# Altium PCB TIMESTICK_2.1.PcbDoc (part 1 of 3) (continued)
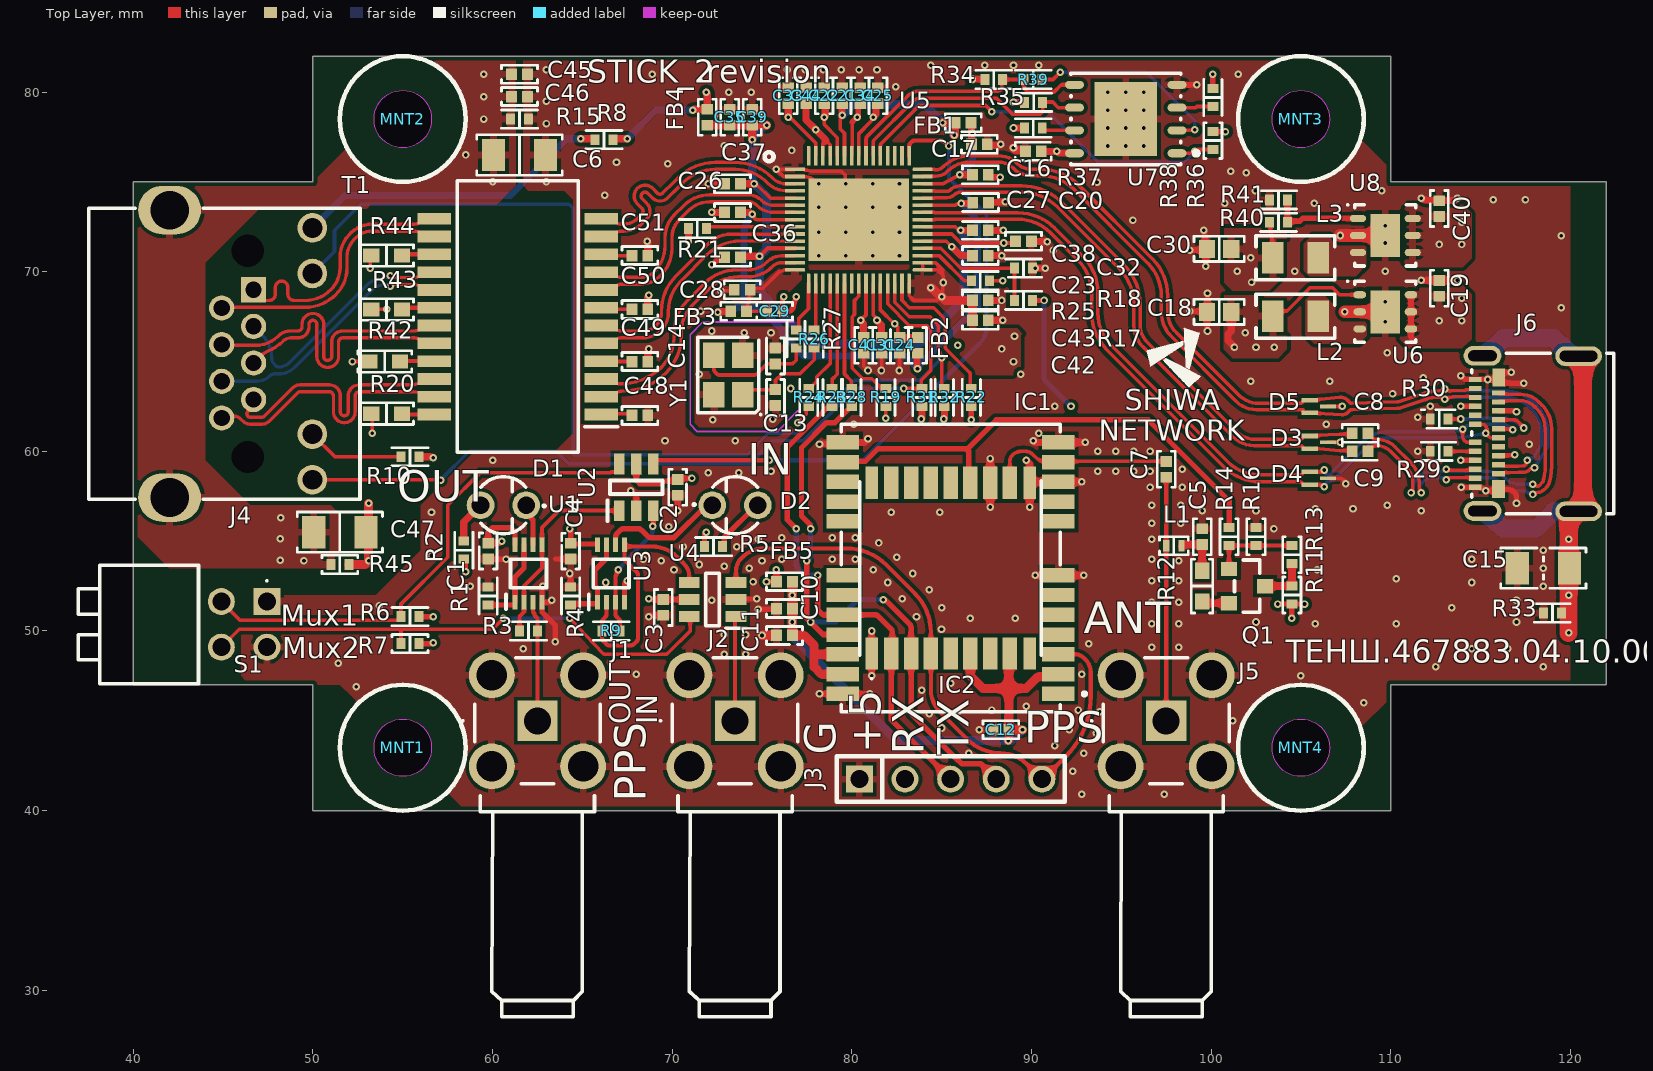
[diagram p0: Top Layer view]
## Design rules (kind name [scope] priority, off if disabled: settings) (continued)
PolygonConnect "PolygonConnect 2 Oz" [All] p2 off: thpad.connectstyle=Relief thpad.reliefconductorwidth=0.3 thpad.reliefentries=4 thpad.polygonreliefangle="90 Angle" thpad.airgapwidth=0.3 smdpad.connectstyle=Relief smdpad.reliefconductorwidth=0.3 smdpad.reliefentries=4 smdpad.polygonreliefangle="90 Angle" smdpad.airgapwidth=0.3 via.connectstyle=Direct via.reliefconductorwidth=0.254 via.reliefentries=4 via.polygonreliefangle="90 Angle" via.airgapwidth=0.254
PolygonConnect "PolygonConnect-1 1 Oz" [All] p3: thpad.connectstyle=Relief thpad.reliefconductorwidth=0.4 thpad.reliefentries=4 thpad.polygonreliefangle="90 Angle" thpad.airgapwidth=0.2 smdpad.connectstyle=Relief smdpad.reliefconductorwidth=0.4 smdpad.reliefentries=4 smdpad.polygonreliefangle="90 Angle" smdpad.airgapwidth=0.2 via.connectstyle=Direct via.reliefconductorwidth=0.254 via.reliefentries=4 via.polygonreliefangle="90 Angle" via.airgapwidth=0.254 // Standart
PolygonConnect "PolygonConnect-2 1 Oz" [All] p4 off: thpad.connectstyle=Relief thpad.reliefconductorwidth=0.15 thpad.reliefentries=4 thpad.polygonreliefangle="90 Angle" thpad.airgapwidth=0.15 smdpad.connectstyle=Relief smdpad.reliefconductorwidth=0.15 smdpad.reliefentries=4 smdpad.polygonreliefangle="90 Angle" smdpad.airgapwidth=0.15 via.connectstyle=Direct via.reliefconductorwidth=0.254 via.reliefentries=4 via.polygonreliefangle="90 Angle" via.airgapwidth=0.254 // Advance
PolygonConnect "PolygonConnect-1 1/2 Oz" [All] p5 off: thpad.connectstyle=Relief thpad.reliefconductorwidth=0.15 thpad.reliefentries=4 thpad.polygonreliefangle="90 Angle" thpad.airgapwidth=0.2 smdpad.connectstyle=Relief smdpad.reliefconductorwidth=0.2 smdpad.reliefentries=4 smdpad.polygonreliefangle="90 Angle" smdpad.airgapwidth=0.2 via.connectstyle=Direct via.reliefconductorwidth=0.254 via.reliefentries=4 via.polygonreliefangle="90 Angle" via.airgapwidth=0.254 // Standart
PolygonConnect "PolygonConnect-2 1/2 Oz" [All] p6 off: thpad.connectstyle=Relief thpad.reliefconductorwidth=0.125 thpad.reliefentries=4 thpad.polygonreliefangle="90 Angle" thpad.airgapwidth=0.15 smdpad.connectstyle=Relief smdpad.reliefconductorwidth=0.125 smdpad.reliefentries=4 smdpad.polygonreliefangle="90 Angle" smdpad.airgapwidth=0.15 via.connectstyle=Direct via.reliefconductorwidth=0.254 via.reliefentries=4 via.polygonreliefangle="90 Angle" via.airgapwidth=0.254 // Advance
RoutingCorners [All] p1 off: cornerstyle=45-Degree minsetback=2.54 maxsetback=2.54
RoutingVias [All] p1: holewidth=0.2 width=0.5 viastyle="Through Hole" minholewidth=0.2 minwidth=0.42 maxholewidth=0.3 maxwidth=0.7
SilkToSilkClearance Silk2SilkClearance [All] p1 off: silktosilkclearance=0.15
SilkToSolderMaskClearance Silk2SolderMaskClearance [IsPad] p1 off: minsilkscreentomaskgap=0.15 clearancetoexposedcopper=TRUE
SolderMaskExpansion SolderMaskExpansion-1 [All] p1: expansion=0.05 istentingtop=FALSE // Standart
SolderMaskExpansion "SolderMaskExpansion LDI" [All] p2: expansion=0.025 istentingtop=FALSE // Advance
UnRoutedNet [All] p1: checkbadconnections=TRUE
Width "Width 3 Oz" [All] p1 off: maxlimit=10 minlimit=0.35 preferedwidth=0.4 checkconnectedcopper=TRUE
Width "Width 2 Oz" [All] p2 off: maxlimit=10 minlimit=0.3 preferedwidth=0.35 minimp=50.000000 maximp=50.000000 favimp=50.000000 checkconnectedcopper=TRUE
Width "Width 1 Oz_S50" [InNetClass('PPS_50')] p3: maxlimit=10 minlimit=0.205 preferedwidth=0.286 toplayer_minwidth=0.232 toplayer_maxwidth=0.233 toplayer_prefwidth=0.233 bottomlayer_minwidth=0.232 bottomlayer_maxwidth=0.233 bottomlayer_prefwidth=0.233 impedanceprofiledriven=TRUE impedanceprofileid={BB543DFE-99FC-45A7-9DD2-5C9AF4E8F79C} impedanceprofilevalue=50.000000 minimp=50.000000 maximp=50.000000 favimp=50.000000 checkconnectedcopper=TRUE
Width "Width 1 Oz" [All] p4: maxlimit=1 minlimit=0.2 preferedwidth=0.3 checkconnectedcopper=TRUE
Width "Width 1/2 Oz" [All] p5 off: maxlimit=10 minlimit=0.1 preferedwidth=0.125 checkconnectedcopper=TRUE
20 further rules are at their usual default settings.

## Classes and differential pairs
differential pair class D100: MDI0 MDI1 MDI2 MDI3 MDIA MDIB MDIC MDID
differential pair class D90: D SSRX SSTX USB3.0_SSTX
net class USB: D_N D_P SSRX_N SSRX_P SSTX_N SSTX_P USB3.0_SSTX_N USB3.0_SSTX_P
net class MDI: MDI0_N MDI0_P MDI1_N MDI1_P MDI2_N MDI2_P MDI3_N MDI3_P MDIA_N MDIA_P MDIB_N MDIB_P MDIC_N MDIC_P MDID_N MDID_P
net class PPS_50: 1PPS_IN 1PPS_IN_BUFF 1PPS_OUT 1PPS_SMA_OUT 279_1PPS_IO ANT GPS_PPS_OUT NetJ2_1
differential pair class MDI: MDI0 MDI1 MDI2 MDI3
differential pair class USB: D SSRX SSTX USB3.0_SSTX
differential pair MDID: +MDID_P -MDID_N
differential pair MDIC: +MDIC_P -MDIC_N
differential pair MDIB: +MDIB_P -MDIB_N
differential pair MDIA: +MDIA_P -MDIA_N
differential pair MDI0: +MDI0_P -MDI0_N
differential pair USB3.0_SSTX: +USB3.0_SSTX_P -USB3.0_SSTX_N
differential pair SSTX: +SSTX_P -SSTX_N
differential pair SSRX: +SSRX_P -SSRX_N
differential pair MDI3: +MDI3_P -MDI3_N
differential pair MDI2: +MDI2_P -MDI2_N
differential pair MDI1: +MDI1_P -MDI1_N
differential pair D: +D_P -D_N

## Components (designator, comment, footprint, x,y, rotation, side; value= is the part's Value field where it differs from the comment)
C1 "0.1 µF" "CAP 0402_1005" 59.75,54.45 r90 top
C2 "0.1 µF" "CAP 0402_1005" 70.3,58 r90 top
C3 "0.1 µF" "CAP 0402_1005" 69.5,51.31 r90 top
C4 "0.1 µF" "CAP 0402_1005" 64.344,54.448 r90 top
C5 "10000 pF" "CAP 0402_1005" 99.5,55.25 r270 top
C6 "1000 pF/2kV" "CAP 1206_3216 - 0.8MM" 61.5,76.5 r0 top
C7 "47 pF" "CAP 0402_1005" 97.5,59 r90 top
C8 "0.1 µF" "CAP 0402_1005" 108.3,61 r180 top
C9 "0.1 µF" "CAP 0402_1005" 108.3,60 r180 top
C10 "1 µF" "CAP 0402_1005" 76.25,51.25 r0 top
C11 "0.1 µF" "CAP 0402_1005" 76.25,49.75 r0 top
C12 "0.1 µF" "CAP 0402_1005" 88.3,44.5 r0 top
C13 "15 pF" "CAP 0402_1005" 75.75,63 r90 top
C14 "15 pF" "CAP 0402_1005" 75.75,65.31 r270 top
C15 "1000 pF/2kV" "CAP 1206_3216 - 0.8MM" 118.5,53.5 r0 top
C16 "1 µF" "CAP 0402_1005" 87.156,75.4 r180 top
C17 "0.1 µF" "CAP 0402_1005" 87.1,77.1 r180 top
C18 "22 µF" "CAP 0603_1608" 100.45,67.767 r0 top
C19 "4.7 µF" "CAP 0402_1005" 112.7,69.077 r270 top
C20 "0.1 µF" "CAP 0402_1005" 90.1,76.7 r0 top
C21 "4.7 µF" "CAP 0402_1005" 79.456,79.8 r270 top
C22 "4.7 µF" "CAP 0402_1005" 78.456,79.8 r270 top
C23 "0.1 µF" "CAP 0402_1005" 87.156,70.9 r180 top
C24 "0.1 µF" "CAP 0402_1005" 82.656,65.9 r90 top
C25 "0.1 µF" "CAP 0402_1005" 81.456,79.8 r270 top
C26 "0.1 µF" "CAP 0402_1005" 73.356,73.3 r0 top
C27 "0.1 µF" "CAP 0402_1005" 87.166,73.85 r180 top
C28 "0.1 µF" "CAP 0402_1005" 73.9,69 r0 top
C29 "0.1 µF" "CAP 0402_1005" 75.7,67.8 r180 top
C30 "22 µF" "CAP 0603_1608" 100.45,71.267 r0 top
C31 "0.1 µF" "CAP 0402_1005" 81.656,65.9 r90 top
C32 "0.1 µF" "CAP 0402_1005" 89.556,71.7 r180 top
C33 "0.1 µF" "CAP 0402_1005" 76.456,79.8 r270 top
C34 "0.1 µF" "CAP 0402_1005" 80.456,79.8 r270 top
C35 "4.7 µF" "CAP 0402_1005" 73.206,78.6 r270 top
C36 "0.1 µF" "CAP 0402_1005" 73.356,70.8 r0 top
C37 "0.1 µF" "CAP 0402_1005" 73.356,74.9 r0 top
C38 "0.1 µF" "CAP 0402_1005" 87.156,72.3 r180 top
C39 "0.1 µF" "CAP 0402_1005" 74.456,78.6 r270 top
C40 "4.7 µF" "CAP 0402_1005" 112.7,73.517 r270 top
C41 "0.1 µF" "CAP 0402_1005" 80.656,65.9 r90 top
C42 "0.1 µF" "CAP 0402_1005" 87.156,67.3 r180 top
C43 "0.1 µF" "CAP 0402_1005" 87.156,68.4 r180 top
C44 "0.1 µF" "CAP 0402_1005" 77.456,79.8 r270 top
C45 "0.1 µF" "CAP 0402_1005" 61.5,81 r0 top
C46 "0.1 µF" "CAP 0402_1005" 61.5,79.75 r0 top
C47 "1000 pF/2kV" "CAP 1206_3216 - 0.8MM" 51.5,55.5 r0 top
C48 "0.1 µF" "CAP 0402_1005" 68.2,62 r0 top
C49 "0.1 µF" "CAP 0402_1005" 68.2,65 r0 top
C50 "0.1 µF" "CAP 0402_1005" 68.2,67.9 r0 top
C51 "0.1 µF" "CAP 0402_1005" 68.2,70.9 r0 top
D1 "L-1154GT" LED_3MM_GREEN 60.6,57 r180 top
D2 "L-1154GT" LED_3MM_GREEN 73.5,57 r0 top locked
D3 "TPD2EUSB30" SOT35P100X50-3N 106,60.5 r0 top
D4 "TPD2EUSB30" SOT35P100X50-3N 106,58.5 r0 top
D5 "TPD2EUSB30" SOT35P100X50-3N 106,62.5 r0 top
FB1 "80 Ohms @ 100 MHz" "FER 0402_1005" 86.2,78.3 r0 top
FB2 "80 Ohms @ 100 MHz" "FER 0402_1005" 83.656,65.9 r270 top
FB3 "80 Ohms @ 100 MHz" "FER 0402_1005" 73.7,67.8 r180 top
FB4 "80 Ohms @ 100 MHz" "FER 0402_1005" 71.956,78.6 r270 top
FB5 "80 Ohms @ 100 MHz" "FER 0402_1005" 76.25,52.75 r0 top
IC1 "NEO-M9N-00B" NEOM9N00B 85.5,53.5 r0 top locked
IC2 "MAX-M10M-00B" MAXM10M00B 85.5,53.5 r270 top
J1 "RF2-49B-T-00-50-G-HDW" RF249BT0050GHDW 62.5,45 r0 top locked
J2 "RF2-49B-T-00-50-G-HDW" RF249BT0050GHDW 73.5,45 r0 top locked
J3 "PBS-5" PBS-5 85.5,41.75 r0 top
J4 "1734324-7" 17343247 46.7,69 r270 top locked
J5 "RF2-49B-T-00-50-G-HDW" RF249BT0050GHDW 97.5,45 r0 top locked
J6 "1054500101" "Molex 1054500101" 115.355,61 r90 top locked
L1 "27 nH" "Murata LQG15 0402" 97.925,54.75 r180 top
L2 "3.3µH" "IND 1008_2520" 104.7,67.517 r180 top
L3 "3.3µH" "IND 1008_2520" 104.7,70.767 r180 top
MNT1 "MOUNT_HOLE" MOUNT_3mm 55,43.5 r0 top locked
MNT2 "MOUNT_HOLE" MOUNT_3mm 55,78.5 r0 top locked
MNT3 "MOUNT_HOLE" MOUNT_3mm 105,78.5 r0 top locked
MNT4 "MOUNT_HOLE" MOUNT_3mm 105,43.5 r0 top locked
Q1 "DMG2302UKQ-7" "DIODES SOT-23-3" 102,52.5 r0 top
R1 "4.7 kOhms" "YAGEO RES 0402_1005" 59.75,51.95 r90 top
R2 "4.7 kOhms" "YAGEO RES 0402_1005" 58.4,54.5 r270 top
R3 "0 Ohms" "YAGEO RES 0402_1005" 62,50 r180 top
R4 "4.7 kOhms" "YAGEO RES 0402_1005" 64.344,51.948 r270 top
R5 "4.7 kOhms" "YAGEO RES 0402_1005" 72.3,54.7 r180 top
R6 "10 kOhms" "YAGEO RES 0402_1005" 55.4,50.8 r0 top
R7 "10 kOhms" "YAGEO RES 0402_1005" 55.4,49.3 r0 top
R8 "330 Ohms" "YAGEO RES 0402_1005" 66.2,77.35 r0 top
R9 "0 Ohms" "YAGEO RES 0402_1005" 66.6,50 r0 top
R10 "330 Ohms" "YAGEO RES 0402_1005" 55.4,59.7 r0 top
R11 "0 Ohms" "YAGEO RES 0402_1005" 104.5,52 r270 top
R12 "75 Ohms" "YAGEO RES 0603_1608" 99.5,52.5 r90 top
R13 "0 Ohms" "YAGEO RES 0402_1005" 104.5,54.25 r270 top
R14 "0 Ohms" "YAGEO RES 0402_1005" 101,55.25 r270 top
R15 "1 MOhms" "YAGEO RES 0402_1005" 61.5,78.5 r0 top
R16 "0 Ohms" "YAGEO RES 0402_1005" 102.5,55.25 r90 top
R17 "49.9 kOhms" "YAGEO RES 0402_1005" 89.556,68.4 r0 top
R18 "100 kOhms" "YAGEO RES 0402_1005" 89.556,70.2 r180 top
R19 "10 kOhms" "YAGEO RES 0402_1005" 81.9,63 r270 top
R20 "75 Ohms" "YAGEO RES 0603_1608" 54.1,62.1 r180 top
R21 "24 kOhms" "YAGEO RES 0402_1005" 71.4,72.4 r0 top
R22 "47 kOhms" "YAGEO RES 0402_1005" 86.65,63 r270 top
R23 "0 Ohms" "YAGEO RES 0402_1005" 78.9,63 r90 top
R24 "47 kOhms" "YAGEO RES 0402_1005" 77.6,63 r270 top
R25 "47 kOhms" "YAGEO RES 0402_1005" 87.156,69.5 r0 top
R26 "0 Ohms" "YAGEO RES 0402_1005" 77.9,66.25 r90 top
R27 "200 Ohms" "YAGEO RES 0402_1005" 76.9,66.25 r90 top
R28 "0 Ohms" "YAGEO RES 0402_1005" 80,63 r90 top
R29 "5.1 kOhms" "YAGEO RES 0402_1005" 112.7,60 r180 top
R30 "5.1 kOhms" "YAGEO RES 0402_1005" 112.7,61.8 r180 top
R31 "4.7 kOhms" "YAGEO RES 0402_1005" 83.9,63 r90 top
R32 "4.7 kOhms" "YAGEO RES 0402_1005" 85.15,63 r90 top
R33 "1 MOhms" "YAGEO RES 0402_1005" 119,51 r0 top
R34 "4.7 kOhms" "YAGEO RES 0402_1005" 87.9,80.7 r0 top
R35 "4.7 kOhms" "YAGEO RES 0402_1005" 90.125,79.425 r0 top
R36 "4.7 kOhms" "YAGEO RES 0402_1005" 100.1,77.3 r270 top
R37 "4.7 kOhms" "YAGEO RES 0402_1005" 90.1,78 r0 top
R38 "4.7 kOhms" "YAGEO RES 0402_1005" 100.1,79.7 r270 top
R39 "22 Ohms" "YAGEO RES 0402_1005" 90.094,80.7 r180 top
R40 "10 kOhms" "YAGEO RES 0402_1005" 103.75,72.75 r0 top
R41 "39.2 kOhms" "YAGEO RES 0402_1005" 103.75,74 r180 top
R42 "75 Ohms" "YAGEO RES 0603_1608" 54,65 r180 top
R43 "75 Ohms" "YAGEO RES 0603_1608" 54.1,67.9 r180 top
R44 "75 Ohms" "YAGEO RES 0603_1608" 54.1,70.9 r180 top
R45 "1 MOhms" "YAGEO RES 0402_1005" 51.5,53.7 r0 top
S1 "DA-02RP" DA02RP 47.44,51.64 r270 top
T1 "HR682480" SOP99P1016X432-24N 61.4,67.5 r180 top
U1 "NC7WZ125K8X" SOP50P310X90-8N 62,53.2 r90 top
U2 "SN74LVC1G3157DBVR" SOT95P280X145-6N 68,58 r90 top locked
U3 "NC7WZ125K8X" SOP50P310X90-8N 66.594,53.198 r90 top
U4 "SN74LVC1G3157DBVR" SOT95P280X145-6N 72.25,51.75 r180 top
U5 "AX88279" IC_AX88279 80.391,72.9 r0 top locked
U6 "ST1S06PU33R" DFN6D_L 109.7,67.767 r0 top
U7 "SST25VF016B-50-4I-QAF-T" FP-C04-452-MFG 95.25,78.5 r180 top
U8 "ST1S06PUR" DFN6D_M 109.7,72.017 r0 top
Y1 "25 MHz" "NDK NX3225GA" 73.122,64.25 r90 top

## Footprints (in the part's own frame and the unit in brackets; to place one, negate y for a bottom-side part, rotate by r counter-clockwise, add the part's x,y. Pads: shape width x height; smd on the part's side, far side on the other; paste and mask are expansions set on the pad)
17343247 [mm]
  rect 1.4x1.4 hole 0.9: 1(0,0)
  round 1.4 hole 0.9: 2(1.02,-1.78) 3(2.04,0) 4(3.06,-1.78) 5(4.08,0) 6(5.1,-1.78) 7(6.12,0) 8(7.14,-1.78)
  round 1.65 hole 1.1: 9(-3.44,3.27) 10(-0.9,3.27) 11(8.04,3.27) 12(10.58,3.27)
  oval 2.7x3.5 hole 2.15: MH1(-4.43,-4.68) MH2(11.57,-4.68)
  round 0.9 hole 1.8 unplated: MH3(-2.17,-0.33) MH4(9.31,-0.33)
  silkscreen extent -4.53,-9.18 11.67,6.5, body extent -4.53,-9.29 11.67,6.05, height 10.12
"CAP 0402_1005" [mm] "Chip Capacitor, 2-Leads, Body 1.02x0.51mm, IPC Medium Density"
  rect 0.6x0.64 smd: 1(-0.44,0) 2(0.44,0)
  silkscreen extent -1,-0.5 1,0.5, body extent -0.5,-0.26 0.5,0.26, height 0.52
"CAP 0603_1608" [mm] "Chip Capacitor, 2-Leads, Body 1.60x0.80mm, IPC Medium Density"
  rect 0.9x1 smd: 1(-0.675,0) 2(0.675,0)
  silkscreen extent -1.4,-0.7 1.4,0.7, body extent -0.8,-0.41 0.8,0.41, height 0.82
"CAP 1206_3216 - 0.8MM" [mm] "Chip Capacitor, 2-Leads, Body 3.25x1.60mm, IPC Medium Density"
  rect 1.3x1.8 smd: 1(-1.45,0) 2(1.45,0)
  silkscreen extent -2.37,-1.12 2.37,1.12, body extent -1.6,-0.8 1.6,0.8, height 0.8
DA02RP [mm]
  rect 1.5x1.5 hole 1: 1(0,0)
  round 1.5 hole 1: 2(2.54,0) 3(0,-2.54) 4(2.54,-2.54)
  silkscreen extent -2.03,-10.51 4.57,0.05, body extent -2.03,-9.87 4.57,0.11, height 9.95
DFN6D_L [mm] "SON, 6-Leads, Body 3x3mm, Pitch 0.95mm, Thermal Pad 2.4x1.65mm, IPC High Density"
  oval 0.7x0.4 smd: 1(-1.425,0.95) 2(-1.425,0) 3(-1.425,-0.95) 4(1.425,-0.95) 5(1.425,0) 6(1.425,0.95)
  rect 1.65x2.4 smd: 7(0,0)
  silkscreen extent -2.15,-1.7 1.7,1.75, body extent -1.55,-1.55 1.55,1.55, height 0.95
DFN6D_M [mm] "SON, 6-Leads, Body 3x3mm, Pitch 0.95mm, Thermal Pad 2.4x1.65mm, IPC Low Density"
  oval 0.9x0.4 smd: 1(-1.525,0.95) 2(-1.525,0) 3(-1.525,-0.95) 4(1.525,-0.95) 5(1.525,0) 6(1.525,0.95)
  rect 1.65x2.4 smd: 7(0,0)
  silkscreen extent -2.15,-1.7 1.7,1.75, body extent -1.55,-1.55 1.55,1.55, height 0.95
"DIODES SOT-23-3" [mm] "SOT23, 3-Leads, Body 2.90x2.40mm, Pitch 0.95mm, IPC Medium Density"
  rect 0.9x0.8 smd: 1(-1,0.95) 2(-1,-0.95) 3(1,0)
  silkscreen extent -0.7,-1.45 0.7,1.45, body extent -1.41,-1.45 1.41,1.45, height 1.5
"FER 0402_1005" [mm] "Chip Ferrite, 2-Leads, Body 1.02x0.51mm, IPC Medium Density"
  rect 0.6x0.64 smd: 1(-0.44,0) 2(0.44,0)
  silkscreen extent -1,-0.5 1,0.5, body extent -0.5,-0.26 0.5,0.26, height 0.52
FP-C04-452-MFG [mm]
  rrect100% 1.05x0.45 smd paste+0 mask+0: 1(-2.85,1.905) 2(-2.85,0.635) 3(-2.85,-0.635) 4(-2.85,-1.905) 5(2.85,-1.905) 6(2.85,-0.635) 7(2.85,0.635) 8(2.85,1.905)
  rect 3.5x4.1 smd paste+0 mask+0: 9(0,0)
  silkscreen extent -4.05,-2.55 3.05,2.55, body extent -3.47,-2.65 3.47,2.65, height 0.25
IC_AX88279 [mm]
  rrect50% 1.1x0.2 smd: 1(-3.55,2.8) 15(-3.55,-2.8) 31(3.55,-2.8) 45(3.55,2.8)
  rect 1.1x0.2 smd: 2(-3.55,2.4) 3(-3.55,2) 4(-3.55,1.6) 5(-3.55,1.2) 6(-3.55,0.8) 7(-3.55,0.4) 8(-3.55,0) 9(-3.55,-0.4) 10(-3.55,-0.8) 11(-3.55,-1.2) 12(-3.55,-1.6) 13(-3.55,-2) 14(-3.55,-2.4) 32(3.55,-2.4) 33(3.55,-2) 34(3.55,-1.6) 35(3.55,-1.2) 36(3.55,-0.8) 37(3.55,-0.4) 38(3.55,0) 39(3.55,0.4) 40(3.55,0.8) 41(3.55,1.2) 42(3.55,1.6) 43(3.55,2) 44(3.55,2.4)
  rrect50% 0.2x1.1 smd: 16(-2.8,-3.55) 30(2.8,-3.55) 46(2.8,3.55) 60(-2.8,3.55)
  rect 0.2x1.1 smd: 17(-2.4,-3.55) 18(-2,-3.55) 19(-1.6,-3.55) 20(-1.2,-3.55) 21(-0.8,-3.55) 22(-0.4,-3.55) 23(0,-3.55) 24(0.4,-3.55) 25(0.8,-3.55) 26(1.2,-3.55) 27(1.6,-3.55) 28(2,-3.55) 29(2.4,-3.55) 47(2.4,3.55) 48(2,3.55) 49(1.6,3.55) 50(1.2,3.55) 51(0.8,3.55) 52(0.4,3.55) 53(0,3.55) 54(-0.4,3.55) 55(-0.8,3.55) 56(-1.2,3.55) 57(-1.6,3.55) 58(-2,3.55) 59(-2.4,3.55)
  rect 5.6x4.6 smd paste-2539.97: 61(0,0)
  silkscreen extent -5.25,3.25 -4.75,3.75, body extent -3.5,-3.5 3.5,3.5, height 0.85
"IND 1008_2520" [mm] "Chip Inductance, 2-leads, Body 2.5x2.1mm, IPC Medium Density"
  rect 1.2x1.75 smd: 1(-1.275,0) 2(1.275,0)
  silkscreen extent -2.18,-1.22 2.2,1.22, body extent -1.3,-1.05 1.3,1.05, height 1
LED_3MM_GREEN [mm]
  round 1.54 hole 0.98: A(1.27,0) C(-1.27,0)
  silkscreen extent -2.32,-1.6 1.25,1.6, body extent -1.6,-1.6 1.6,1.6, height 16.5
MAXM10M00B [mm]
  rect 1.8x0.7 smd: 1(4.75,-4.4) 9(4.75,4.4) 10(-4.75,4.4) 18(-4.75,-4.4)
  rect 1.8x0.8 smd: 2(4.75,-3.3) 3(4.75,-2.2) 4(4.75,-1.1) 5(4.75,0) 6(4.75,1.1) 7(4.75,2.2) 8(4.75,3.3) 11(-4.75,3.3) 12(-4.75,2.2) 13(-4.75,1.1) 14(-4.75,0) 15(-4.75,-1.1) 16(-4.75,-2.2) 17(-4.75,-3.3)
  silkscreen extent -4.85,-5.05 6.2,5.05, body extent -4.85,-5.05 4.85,5.05, height 2.5
"Molex 1054500101" [mm] "USB-C Receptacle Connector 24 Position Surface Mount, 24 Position, Body 8.94x7.90mm"
  rect 0.3x0.7 smd: A1(-3,0.655) A2(-2.5,0.655) A3(-2,0.655) A4(-1.5,0.655) A5(-1,0.655) A6(-0.5,0.655) A7(0.5,0.655) A8(1,0.655) A9(1.5,0.655) A10(2,0.655) A11(2.5,0.655) A12(3,0.655) B2(2.25,-0.645) B3(1.75,-0.645) B4(1.25,-0.645) B5(0.75,-0.645) B6(0.25,-0.645) B7(-0.25,-0.645) B8(-0.75,-0.645) B9(-1.25,-0.645) B10(-1.75,-0.645) B11(-2.25,-0.645)
  rect 1x0.7 smd: B1(3.1,-0.655) B12(-3.1,-0.645)
  oval 1.1x2.6 hole 2.1 slot 0.6 at 0 deg: S(-4.34,-5.105) S(4.3,-5.105)
  oval 1.1x2.1 hole 1.6 slot 0.6 at 0 deg: S(-4.32,0.245) S(4.32,0.245)
  silkscreen extent -4.47,-7.07 4.47,0.83, body extent -4.47,-7.07 4.47,0.83, height 3.21
MOUNT_3mm [mm] "H3/OUT6"
  round 0 hole 3.2 unplated: ""(0,0)
  Keep-Out Layer board cut-out: 0,-1.6 -0.612,-1.478 -1.131,-1.131 -1.478,-0.612 -1.6,0 -1.6,0 -1.478,0.612 -1.131,1.131 -0.612,1.478 0,1.6 0,1.6 0.612,1.478 1.131,1.131 1.478,0.612 1.6,0 1.6,0 1.478,-0.612 1.131,-1.131 0.612,-1.478 0,-1.6 hole: 0,-1.6 0,-1.6 0,-1.6
  Multi-Layer pour cut-out: 0,-3.5 -1.339,-3.234 -2.475,-2.475 -3.234,-1.339 -3.5,0 -3.5,0 -3.031,1.75 -1.75,3.031 0,3.5 0,3.5 1.339,3.234 2.475,2.475 3.234,1.339 3.5,0 3.5,0 3.234,-1.339 2.475,-2.475 1.339,-3.234 0,-3.5
  silkscreen extent -3.5,-3.5 3.5,3.5
"Murata LQG15 0402" [mm] "Chip Inductor, 2-Leads, Body 1.00x0.50mm, IPC High Density"
  rect 0.35x0.65 smd: 1(-0.425,0) 2(0.425,0)
  silkscreen extent -0.8,-0.5 0.8,0.5, body extent -0.52,-0.27 0.53,0.28, height 0.55
"NDK NX3225GA" [mm] "Crystal, 4-Leads, Body 2.50x3.20mm, Pitch 2.20mm, IPC Medium Density"
  rect 1.4x1.2 smd: 1(-1.1,-0.8) 2(1.1,-0.8) 3(1.1,0.8) 4(-1.1,0.8)
  silkscreen extent -2.25,-1.85 2.1,1.7, body extent -1.61,-1.26 1.61,1.26, height 0.75
NEOM9N00B [mm]
  rect 1.8x0.8 smd: 1(6,-7) 2(6,-5.9) 3(6,-4.8) 4(6,-3.7) 5(6,-2.6) 6(6,-1.5) 7(6,-0.4) 8(6,2.6) 9(6,3.7) 10(6,4.8) 11(6,5.9) 12(6,7) 13(-6,7) 14(-6,5.9) 15(-6,4.8) 16(-6,3.7) 17(-6,2.6) 18(-6,-0.4) 19(-6,-1.5) 20(-6,-2.6) 21(-6,-3.7) 22(-6,-4.8) 23(-6,-5.9) 24(-6,-7)
  silkscreen extent -6.1,-8 7.55,8, body extent -6.1,-8 6.1,8, height 2.6
PBS-5 [mm]
  rect 1.5x1.5 hole 1: 1(-5.08,0)
  round 1.5 hole 1: 2(-2.54,0) 3(0,0) 4(2.54,0) 5(5.08,0)
  silkscreen extent -6.35,-1.27 6.35,1.27, body extent -6.6,-1.25 6.6,1.25, height 8.5
RF249BT0050GHDW [mm]
  rect 2.25x2.25 hole 1.5: 1(0,0)
  round 2.55 hole 1.7: 2(-2.54,-2.54) 3(2.54,-2.54) 4(2.54,2.54) 5(-2.54,2.54)
  silkscreen extent -4.2,-16.47 3.5,3.5, body extent -5.1,-16.43 5.1,3.54, height 12.08
SOP50P310X90-8N [mm]
  rect 0.8x0.3 smd: 1(-1.6,0.75) 2(-1.6,0.25) 3(-1.6,-0.25) 4(-1.6,-0.75) 5(1.6,-0.75) 6(1.6,-0.25) 7(1.6,0.25) 8(1.6,0.75)
  silkscreen extent -2,-1 0.8,1.25, body extent -1.55,-1 1.55,1, height 0.9
SOP99P1016X432-24N [mm]
  rect 1.85x0.65 smd: 1(-4.65,5.45) 2(-4.65,4.46) 3(-4.65,3.468) 4(-4.65,2.478) 5(-4.65,1.486) 6(-4.65,0.496) 7(-4.65,-0.496) 8(-4.65,-1.486) 9(-4.65,-2.478) 10(-4.65,-3.468) 11(-4.65,-4.46) 12(-4.65,-5.45) 13(4.65,-5.45) 14(4.65,-4.46) 15(4.65,-3.468) 16(4.65,-2.478) 17(4.65,-1.486) 18(4.65,-0.496) 19(4.65,0.496) 20(4.65,1.486) 21(4.65,2.478) 22(4.65,3.468) 23(4.65,4.46) 24(4.65,5.45)
  silkscreen extent -5.58,-7.56 3.37,7.56, body extent -5.08,-7.56 5.08,7.56, height 4.32
SOT35P100X50-3N [mil]
  rect 36x10 smd: 1(-20,14) 2(-20,-14)
  rect 36x8 smd: 3(20,0)
  body extent -20,-20 20,20, height 19
SOT95P280X145-6N [mm]
  rect 1.15x0.6 smd: 1(-1.3,0.95) 2(-1.3,0) 3(-1.3,-0.95) 4(1.3,-0.95) 5(1.3,0) 6(1.3,0.95)
  silkscreen extent -1.88,-1.46 0.38,1.6, body extent -1.4,-1.46 1.4,1.46, height 1.45
"YAGEO RES 0402_1005" [mm] "Chip Resistor, 2-Leads, Body 1.0x0.5mm"
  rect 0.5x0.6 smd: 1(-0.5,0) 2(0.5,0)
  silkscreen extent -1,-0.51 1,0.51, body extent -0.5,-0.25 0.5,0.25, height 0.35
"YAGEO RES 0603_1608" [mm] "Chip Resistor, 2-Leads, Body 1.60x0.80mm"
  rect 0.9x0.8 smd: 1(-0.85,0) 2(0.85,0)
  silkscreen extent -1.5,-0.6 1.5,0.6, body extent -0.8,-0.4 0.8,0.4, height 0.45

## Part data
C1 C2 C3 C4 C8 C9 C11 C12 C17 C20 C23 C24 C25 C26 C27 C28 C29 C31 C32 C33 C34 C36 C37 C38 C39 C41 C42 C43 C44 C45 C46 C48 C49 C50 C51: library part CC0402KRX7R6BB104, "CAP CER 0.1UF 10V X7R 0402", Device Package="0402 (1005 Metric)", Manufacturer=Yageo, Operating Temperature="-55°C ~ 125°C", Supplier Part Number 1=311-1345-1-ND, Temperature Coefficient=X7R, Tolerance=±10%, Voltage - Rated=10V, Applications="General Purpose", Capacitance="0.1 µF", componentlink1description=Datasheet, componentlink1url=https://www.yageo.com/upload/media/product/productsearch/datasheet/mlcc/UPY-GPHC_X7R_6.3V-to-50V_18.pdf, componentlink2description="DigiKey Link", componentlink2url=https://www.digikey.com/en/products/detail/yageo/CC0402KRX7R6BB104/2103083, LastUpdated="09.02.2024 20:04:34", Lifecycle Status=Active, Minimum Order=10, Mounting Type="Surface Mount, MLCC", Package / Case="0402 (1005 Metric)", packaging=CutTape, Part Number=CC0402KRX7R6BB104, Part Status=Active, partid=3877, Price=0.01, series=CC, Size / Dimension="0.039\" L x 0.020\" W (1.00mm x 0.50mm)", Supplier 1=DigiKey, Thickness (Max)="0.022\" (0.55mm)"
C5: library part CC0402KRX7R9BB103, "CAP CER 10000PF 50V X7R 0402", Device Package="0402 (1005 Metric)", Manufacturer=Yageo, Operating Temperature="-55°C ~ 125°C", Supplier Part Number 1=311-1349-1-ND, Temperature Coefficient=X7R, Tolerance=±10%, Voltage - Rated=50V, Applications="General Purpose", Capacitance="10000 pF", componentlink1description=Datasheet, componentlink1url=https://www.yageo.com/upload/media/product/productsearch/datasheet/mlcc/UPY-GPHC_X7R_6.3V-to-50V_18.pdf, componentlink2description="DigiKey Link", componentlink2url=https://www.digikey.com/en/products/detail/yageo/CC0402KRX7R9BB103/2103087, LastUpdated="09.02.2024 20:04:30", Lifecycle Status=Active, Minimum Order=10, Mounting Type="Surface Mount, MLCC", Package / Case="0402 (1005 Metric)", packaging=CutTape, Part Number=CC0402KRX7R9BB103, Part Status=Active, partid=6681, Price=0.01, series=CC, Size / Dimension="0.039\" L x 0.020\" W (1.00mm x 0.50mm)", Supplier 1=DigiKey, Thickness (Max)="0.022\" (0.55mm)"
C6 C15 C47: library part CC1206KKX7RDBB102, "CAP CER 1000PF 2KV X7R 1206", Capacitance="1000 pF", Device Package="1206 (3216 Metric)", Manufacturer=Yageo, Operating Temperature="-55°C ~ 125°C", Supplier Part Number 1=311-1487-1-ND, Temperature Coefficient=X7R, Tolerance=±10%, Voltage - Rated="2000V (2kV)", Applications="General Purpose", componentlink1description=Datasheet, componentlink1url=https://www.yageo.com/upload/media/product/productsearch/datasheet/mlcc/UPY-NP0X7R_HV_1KV-to-3KV_11.pdf, componentlink2description="DigiKey Link", componentlink2url=https://www.digikey.com/en/products/detail/yageo/CC1206KKX7RDBB102/2833652, Features="High Voltage", LastUpdated="04.06.2024 19:10:41", Lifecycle Status=Active, Minimum Order=1, Mounting Type="Surface Mount, MLCC", Package / Case="1206 (3216 Metric)", packaging=TapeAndReel, Part Number=CC1206KKX7RDBB102, Part Status=Active, partid=19484, Price=0.06, series=CC, Size / Dimension="0.126\" L x 0.063\" W (3.20mm x 1.60mm)", Supplier 1=DigiKey, Thickness (Max)="0.057\" (1.45mm)"
C7: library part CC0402KRNPO9BN470, "CAP CER 47PF 50V C0G/NPO 0402", Device Package="0402 (1005 Metric)", Manufacturer=Yageo, Operating Temperature="-55°C ~ 125°C", Supplier Part Number 1=311-3783-1-ND, Temperature Coefficient="C0G, NP0", Tolerance=±10%, Voltage - Rated=50V, Applications="General Purpose", Capacitance="47 pF", componentlink1description=Datasheet, componentlink1url=https://www.yageo.com/upload/media/product/productsearch/datasheet/mlcc/UPY-GP_NP0_16V-to-50V_17.pdf, componentlink2description="DigiKey Link", componentlink2url=https://www.digikey.com/en/products/detail/yageo/CC0402KRNPO9BN470/5883324, LastUpdated="09.02.2024 20:04:34", Lifecycle Status=Active, Minimum Order=10, Mounting Type="Surface Mount, MLCC", Package / Case="0402 (1005 Metric)", packaging=CutTape, Part Number=CC0402KRNPO9BN470, Part Status=Active, partid=3939, Price=0.01, series=CC, Size / Dimension="0.039\" L x 0.020\" W (1.00mm x 0.50mm)", Supplier 1=DigiKey, Thickness (Max)="0.022\" (0.55mm)"
C10 C16: library part CC0402KRX5R6BB105, "CAP CER 1UF 10V X5R 0402", Device Package="0402 (1005 Metric)", Manufacturer=Yageo, Operating Temperature="-55°C ~ 85°C", Supplier Part Number 1=311-1439-1-ND, Temperature Coefficient=X5R, Tolerance=±10%, Voltage - Rated=10V, Applications="General Purpose", Capacitance="1 µF", componentlink1description=Datasheet, componentlink1url=https://www.yageo.com/upload/media/product/productsearch/datasheet/mlcc/UPY-GPHC_X5R_4V-to-50V_25.pdf, componentlink2description="DigiKey Link", componentlink2url=https://www.digikey.com/en/products/detail/yageo/CC0402KRX5R6BB105/2833604, LastUpdated="09.02.2024 20:04:31", Lifecycle Status=Active, Minimum Order=1, Mounting Type="Surface Mount, MLCC", Package / Case="0402 (1005 Metric)", packaging=TapeAndReel, Part Number=CC0402KRX5R6BB105, Part Status=Active, partid=44232, Price=0.01, series=CC, Size / Dimension="0.039\" L x 0.020\" W (1.00mm x 0.50mm)", Supplier 1=DigiKey, Thickness (Max)="0.022\" (0.55mm)"
C13 C14: library part CC0402KRNPO9BN150, "CAP CER 15PF 50V C0G/NPO 0402", Device Package="0402 (1005 Metric)", Manufacturer=Yageo, Operating Temperature="-55°C ~ 125°C", Supplier Part Number 1=311-3780-1-ND, Temperature Coefficient="C0G, NP0", Tolerance=±10%, Voltage - Rated=50V, Applications="General Purpose", Capacitance="15 pF", componentlink1description=Datasheet, componentlink1url=https://www.yageo.com/upload/media/product/productsearch/datasheet/mlcc/UPY-GP_NP0_16V-to-50V_17.pdf, componentlink2description="DigiKey Link", componentlink2url=https://www.digikey.com/en/products/detail/yageo/CC0402KRNPO9BN150/5883321, LastUpdated="09.02.2024 20:04:34", Lifecycle Status=Active, Minimum Order=10, Mounting Type="Surface Mount, MLCC", Package / Case="0402 (1005 Metric)", packaging=CutTape, Part Number=CC0402KRNPO9BN150, Part Status=Active, partid=3947, Price=0.01, series=CC, Size / Dimension="0.039\" L x 0.020\" W (1.00mm x 0.50mm)", Supplier 1=DigiKey, Thickness (Max)="0.022\" (0.55mm)"
C18 C30: library part CC0603MRX5R6BB226, "CAP CER 22UF 10V X5R 0603", Device Package="0603 (1608 Metric)", Manufacturer=Yageo, Operating Temperature="-55°C ~ 85°C", Supplier Part Number 1=311-1819-1-ND, Temperature Coefficient=X5R, Tolerance=±20%, Voltage - Rated=10V, Applications="General Purpose", Capacitance="22 µF", componentlink1description=Datasheet, componentlink1url=https://www.yageo.com/upload/media/product/productsearch/datasheet/mlcc/UPY-GPHC_X5R_4V-to-50V_26.pdf, componentlink2description="DigiKey Link", componentlink2url=https://www.digikey.com/en/products/detail/yageo/CC0603MRX5R6BB226/5195226, LastUpdated="09.02.2024 20:09:50", Lifecycle Status=Active, Minimum Order=1, Mounting Type="Surface Mount, MLCC", Package / Case="0603 (1608 Metric)", packaging=TapeAndReel, Part Number=CC0603MRX5R6BB226, Part Status=Active, partid=45305, Price=0.16, series=CC, Size / Dimension="0.063\" L x 0.031\" W (1.60mm x 0.80mm)", Supplier 1=DigiKey, Thickness (Max)="0.035\" (0.90mm)"
C19 C21 C22 C35 C40: library part CC0402MRX5R6BB475, "CAP CER 4.7UF 10V X5R 0402", Device Package="0402 (1005 Metric)", Manufacturer=Yageo, Operating Temperature="-55°C ~ 85°C", Supplier Part Number 1=311-1734-1-ND, Temperature Coefficient=X5R, Tolerance=±20%, Voltage - Rated=10V, Applications="General Purpose", Capacitance="4.7 µF", componentlink1description=Datasheet, componentlink1url=https://www.yageo.com/upload/media/product/productsearch/datasheet/mlcc/UPY-GPHC_X5R_4V-to-50V_25.pdf, componentlink2description="DigiKey Link", componentlink2url=https://www.digikey.com/en/products/detail/yageo/CC0402MRX5R6BB475/5195143, LastUpdated="09.02.2024 20:04:16", Lifecycle Status=Active, Minimum Order=1, Mounting Type="Surface Mount, MLCC", Package / Case="0402 (1005 Metric)", packaging=TapeAndReel, Part Number=CC0402MRX5R6BB475, Part Status=Active, partid=27083, Price=0.01, series=CC, Size / Dimension="0.039\" L x 0.020\" W (1.00mm x 0.50mm)", Supplier 1=DigiKey, Thickness (Max)="0.026\" (0.65mm)"
D1 D2: "LED, 3mm, Green", Manufacturer_Name=Kingbright, Mouser Part Number=N/A, Datasheet Link=https://static.chipdip.ru/lib/195/DOC000195138.pdf, Manufacturer_Part_Number=L-1154GT, Mouser Price/Stock=https://www.mouser.co.uk/ProductDetail/Kingbright/L-1154GT?qs=2JU0tDl2GZ2IKSfxbyKuMQ%3D%3D
D3 D4 D5: library part TPD2EUSB30ADRTR, "TVS DIODE 3.6VWM 8VC SOT3", Manufacturer_Name="Texas Instruments", Mouser Part Number=595-TPD2EUSB30ADRTR, Arrow Part Number=TPD2EUSB30ADRTR, Arrow Price/Stock=https://www.arrow.com/en/products/tpd2eusb30adrtr/texas-instruments?utm_currency=USD&region=nac, Datasheet Link=http://www.ti.com/lit/gpn/tpd2eusb30a, Manufacturer_Part_Number=TPD2EUSB30ADRTR, Mouser Price/Stock=https://www.mouser.co.uk/ProductDetail/Texas-Instruments/TPD2EUSB30ADRTR?qs=O1HRStiETCgOfMa6oTfOlg%3D%3D
FB1 FB2 FB3 FB4 FB5: library part BLM15PD800SN1D, "FERRITE BEAD 80 OHM 0402 1LN", Current Rating (Max)=1.5A, DC Resistance (DCR) (Max)=70mOhm, Device Package="0402 (1005 Metric)", Manufacturer="Murata Electronics", Operating Temperature="-55°C ~ 125°C", Supplier Part Number 1=490-5202-1-ND, componentlink1description=Datasheet, componentlink1url=https://www.murata.com/en-us/products/productdata/8796740059166/ENFA0018.pdf, componentlink2description="DigiKey Link", componentlink2url=https://www.digikey.com/en/products/detail/murata-electronics/BLM15PD800SN1D/1948308, Filter Type="Power Line", Height (Max)="0.022\" (0.55mm)", Impedance @ Frequency="80 Ohms @ 100 MHz", LastUpdated="03.06.2024 19:51:04", Lifecycle Status=Active, Minimum Order=1, Mounting Type="Surface Mount", Number of Lines=1, Package / Case="0402 (1005 Metric)", packaging=TapeAndReel, Part Number=BLM15PD800SN1D, Part Status=Active, partid=403, Price=0.02, series="EMIFIL®, BLM15", Size / Dimension="0.039\" L x 0.022\" W (1.00mm x 0.55mm)", Supplier 1=DigiKey
IC1: "Integrated Circuit", Manufacturer_Name=u-blox, Mouser Part Number=377-NEO-M9N-00B, Arrow Part Number=NEO-M9N-00B, Arrow Price/Stock=https://www.arrow.com/en/products/neo-m9n-00b/u-blox?utm_currency=USD&region=nac, Datasheet Link=https://content.u-blox.com/sites/default/files/NEO-M9N-00B_DataSheet_UBX-19014285.pdf, Height=2.6mm, Manufacturer_Part_Number=NEO-M9N-00B, Mouser Price/Stock=https://www.mouser.co.uk/ProductDetail/u-blox/NEO-M9N-00B?qs=DPoM0jnrROVeJ6BHpcwcjw%3D%3D
IC2: "Integrated Circuit", Manufacturer_Name=u-blox, Mouser Part Number=377-MAX-M10M-00B, Datasheet Link=https://content.u-blox.com/sites/default/files/documents/MAX-M10M_IntegrationManual_UBX-22038241.pdf, Height=2.7mm, Manufacturer_Part_Number=MAX-M10M-00B, Mouser Price/Stock=https://www.mouser.co.uk/ProductDetail/u-blox/MAX-M10M-00B?qs=A6eO%252BMLsxmQGh8%2FJ1ZmexA%3D%3D
J1 J2 J5: "Connector", Manufacturer_Name="Adam Tech", Arrow Part Number=RF2-49B-T-00-50-G-HDW, Arrow Price/Stock=https://www.arrow.com/en/products/rf2-49b-t-00-50-g-hdw/adam-tech?region=nac, Datasheet Link=https://www.digikey.com/en/products/detail/adam-tech/RF2-49B-T-00-50-G-HDW/9831420?msockid=3e3afa68a50969ca3057ef1ca4c9684b, Height=10.958mm, Manufacturer_Part_Number=RF2-49B-T-00-50-G-HDW
J3: "Connector", Manufacturer=Connfly, Part Number=PBD-5, Part Number1=DS-1023-1x5, System=Connector
J4: "Connector, RJ-45, with LED, w/o Mag, RA", Manufacturer_Name="TE Connectivity", Mouser Part Number=571-1734324-7, Datasheet Link=https://www.te.com/commerce/DocumentDelivery/DDEController?Action=showdoc&DocId=Customer+Drawing%7F1734324%7FA6%7Fpdf%7FEnglish%7FENG_CD_1734324_A6.pdf%7F1734324-7, Height=11.6mm, Manufacturer_Part_Number=1734324-7, Mouser Price/Stock=https://www.mouser.co.uk/ProductDetail/TE-Connectivity/1734324-7?qs=fzsaQExJLyQDhvGFBX%252BpzQ%3D%3D
J6: "CONN RCP USB3.1 TYPEC 24P SMD RA", Current Rating (Amps)="0.25A, 1A, 5A", Manufacturer=Molex, Operating Temperature="-30°C ~ 85°C", Supplier Part Number 1=WM12856CT-ND, Voltage - Rated=30VAC/DC, componentlink1description=Datasheet, componentlink1url=https://www.molex.com/pdm_docs/ps/PS-105448-001.pdf, componentlink2description="DigiKey Link", componentlink2url=http://digikey.com/product-detail/en/molex/1054500101/WM12856CT-ND/5843891, Connector Type="USB - C (Type - C)", Gender=Receptacle, LastUpdated="06.06.2020 2:14:04", Lifecycle Status=Active, Mating Cycles=10000, Minimum Order=1, Mounting Feature=Horizontal, Mounting Type="Surface Mount, Right Angle; Through Hole", Number of Contacts=24, Number of Ports=1, packaging=TapeAndReel, Part Number=1054500101, Part Status=Active, Price=1.22, series=105445, Shielding=Shielded, Specifications="USB 3.1 (USB 3.1 Gen 2, Superspeed+)", Supplier 1=DigiKey, Termination=Solder
L1: library part LQG15HS27NJ02D, "FIXED IND 27NH 350MA 0.46OHM SMD", Current Rating (Amps)="350 mA", DC Resistance (DCR)="460mOhm Max", Device Package="0402 (1005 Metric)", Frequency - Self Resonant=1.7GHz, Inductance Frequency - Test="100 MHz", Manufacturer="Murata Electronics", Operating Temperature="-55°C ~ 125°C", Q @ Freq="8 @ 100MHz", Supplier Part Number 1=490-2628-1-ND, Tolerance=±5%, componentlink1description=Datasheet, componentlink1url=https://search.murata.co.jp/Ceramy/image/img/P02/JELF243B-0010.pdf, componentlink2description="DigiKey Link", componentlink2url=https://www.digikey.com/en/products/detail/murata-electronics/LQG15HS27NJ02D/662877, Height - Seated (Max)="0.022\" (0.55mm)", Inductance="27 nH", LastUpdated="19.07.2024 23:59:52", Lifecycle Status=Active, Material - Core=Air, Minimum Order=1, Mounting Type="Surface Mount", Package / Case="0402 (1005 Metric)", packaging=TapeAndReel, Part Number=LQG15HS27NJ02D, Part Status=Active, partid=2962, Price=0.02, series=LQG15, Shielding=Unshielded, Size / Dimension="0.039\" L x 0.020\" W (1.00mm x 0.50mm)", Supplier 1=DigiKey, Supplier Device Package="0402 (1005 Metric)", Type=Multilayer
L2 L3: library part LQM2HPN3R3MG0L, "FIXED IND 3.3UH 1.2A 100 MOHM", Current Rating (Amps)=1.2A, DC Resistance (DCR)="125mOhm Max", Device Package="1008 (2520 Metric)", Frequency - Self Resonant=30MHz, Inductance Frequency - Test=1MHz, Manufacturer="Murata Electronics", Operating Temperature="-55°C ~ 125°C", Supplier Part Number 1=490-5115-1-ND, Tolerance=±20%, componentlink1description=Datasheet, componentlink1url=https://search.murata.co.jp/Ceramy/image/img/P02/JELF243B-0019.pdf, componentlink2description="DigiKey Link", componentlink2url=http://digikey.com/product-detail/en/murata-electronics/LQM2HPN3R3MG0L/490-5115-1-ND/1893678, Height - Seated (Max)="0.039\" (1.00mm)", Inductance=3.3µH, LastUpdated="02.09.2020 1:29:06", Lifecycle Status=Active, Material - Core=Ferrite, Minimum Order=1, Mounting Type="Surface Mount", Package / Case="1008 (2520 Metric)", packaging=TapeAndReel, Part Number=LQM2HPN3R3MG0L, Part Status=Active, partid=3442, Price=0.12, series=LQM2, Shielding=Shielded, Size / Dimension="0.098\" L x 0.079\" W (2.50mm x 2.00mm)", Supplier 1=DigiKey, Supplier Device Package="1008 (2520 Metric)", Type=Multilayer
MNT1 MNT2 MNT3 MNT4: "Mount hole"
Q1: "MOSFET BVDSS: 8V-24V SOT23 T&R 3", Current - Continuous Drain (Id) @ 25°C="2.8A (Ta)", Drain to Source Voltage (Vdss)=20V, Drive Voltage (Max Rds On,  Min Rds On)="2.5V, 4.5V", Input Capacitance (Ciss) (Max) @ Vds="130pF @ 10V", Manufacturer="Diodes Incorporated", Operating Temperature="-55°C ~ 150°C (TJ)", Package / Case="TO-236-3, SC-59, SOT-23-3", Power Dissipation (Max)="660mW (Ta)", Supplier Device Package=SOT-23, Supplier Part Number 1=31-DMG2302UKQ-7CT-ND, componentlink2description="DigiKey Link", componentlink2url=http://digikey.com/product-detail/en/diodes-incorporated/DMG2302UKQ-7/31-DMG2302UKQ-7CT-ND/11656546, FET Type=N-Channel, Gate Charge (Qg) (Max) @ Vgs="2.8nC @ 10V", LastUpdated="30.08.2020 21:04:43", Lifecycle Status=Active, Minimum Order=1, Mounting Type="Surface Mount", packaging=TapeAndReel, Part Number=DMG2302UKQ-7, Price=0.09, Rds On (Max) @ Id, Vgs="90mOhm @ 3.6A, 4.5V", series="Automotive, AEC-Q101", Supplier 1=DigiKey, Technology="MOSFET (Metal Oxide)", Vgs (Max)=±12V, Vgs(th) (Max) @ Id="1V @ 250µA"
R1 R2 R4 R5 R31 R32 R34 R35 R36 R37 R38: library part RC0402FR-074k7L, "RES 4.7K OHM 1% 1/16W 0402", Device Package="0402 (1005 Metric)", Manufacturer=Yageo, Operating Temperature="-55°C ~ 155°C", Part Number=RC0402FR-074K7L, Power (Watts)="0.063W, 1/16W", Supplier Device Package=0402, Supplier Part Number 1=311-4.7KLRCT-ND, Temperature Coefficient=±100ppm/°C, Tolerance=±1%, componentlink1description=Datasheet, componentlink1url=https://www.yageo.com/upload/media/product/productsearch/datasheet/rchip/PYu-RC_Group_51_RoHS_L_10.pdf, componentlink2description="DigiKey Link", componentlink2url=https://www.digikey.com/en/products/detail/yageo/RC0402FR-074K7L/2827563, Composition="Thick Film", Features="Moisture Resistant", Height - Seated (Max)="0.016\" (0.40mm)", LastUpdated="25.07.2024 9:18:11", Lifecycle Status=Active, Minimum Order=1, Number of Terminations=2, Package / Case="0402 (1005 Metric)", packaging=CutTape, Part Status=Active, partid=17603, Price=0.01, Resistance="4.7 kOhms", series=RC_L, Size / Dimension="0.039\" L x 0.020\" W (1.00mm x 0.50mm)", Supplier 1=DigiKey